# Altium PCB Knobber.PcbDoc (continued)
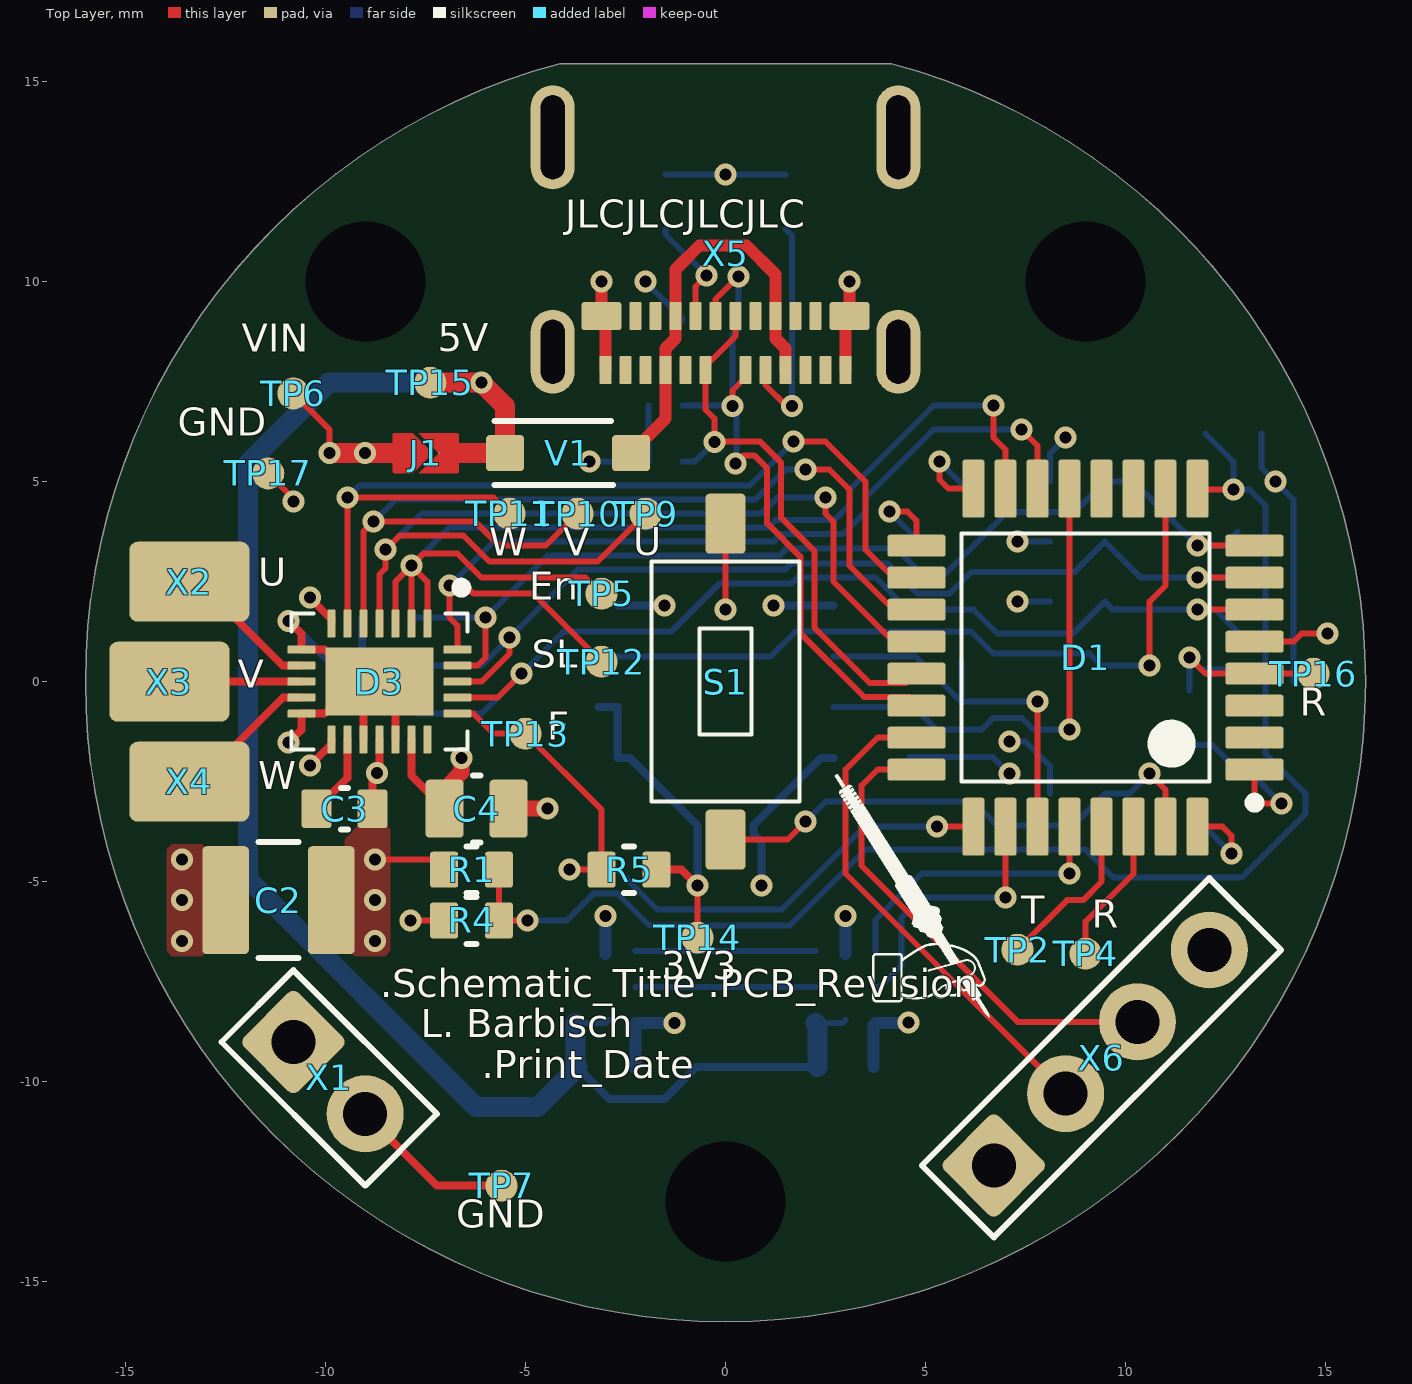
[diagram p0: Top Layer view]
## Components (designator, comment, footprint, x,y, rotation, side; value= is the part's Value field where it differs from the comment) (continued)
TP11 "TestPoint 0.8mm" TP_0.8mm -5.4,4.2 r180 top value=TP
TP12 "TestPoint 0.8mm" TP_0.8mm -3.1,0.5 r90 top value=TP
TP13 "TestPoint 0.8mm" TP_0.8mm -5,-1.3 r90 top value=TP
TP14 "TestPoint 0.8mm" TP_0.8mm -0.7,-6.4 r90 top value=TP
TP15 "TestPoint 0.8mm" TP_0.8mm -7.378,7.476 r0 top value=TP
TP16 "TestPoint 0.8mm" TP_0.8mm 14.7,0.2 r0 top value=TP
TP17 "TestPoint 0.8mm" TP_0.8mm -11.43,5.207 r0 top value=TP
V1 "MBR0520L" SOD123_L_RF -3.937,5.715 r180 top
V2 "APA102C" V_2020_P6_N_RF 3,-7.637 r0 bottom
V3 "APA102C" V_2020_P6_N_RF -3,-7.637 r0 bottom
X1 "CONN HEADER 2POS 1ROW THT 2.54MM" X-0508X0254_R_WE_61300211121 -9.906,-9.906 r315 top value=61300211121
X2 "" Lötpad_2x3 -13.405,2.5 r90 top
X3 "" Lötpad_2x3 -13.905,0 r90 top
X4 "" Lötpad_2x3 -13.405,-2.5 r90 top
X5 "105450-0101" 105450-0101 0,8.25 r180 top
X6 "CONN HEADER 4POS 1ROW THT 2.54MM" X-0101X0025_R_FCI_77311-118-04LF 9.4,-9.4 r45 top value=77311-118-04LF

## Footprints (in the part's own frame and the unit in brackets; to place one, negate y for a bottom-side part, rotate by r counter-clockwise, add the part's x,y. Pads: shape width x height; smd on the part's side, far side on the other; paste and mask are expansions set on the pad)
105450-0101 [mm] "USB-C Connector"
  rrect20% 0.3x0.7 smd: A1(-3,0.46) A2(-2.5,0.46) A3(-2,0.46) A4(-1.5,0.46) A5(-1,0.46) A6(-0.5,0.46) A7(0.5,0.46) A8(1,0.46) A9(1.5,0.46) A10(2,0.46) A11(2.5,0.46) A12(3,0.46) B2(2.25,-0.89) B3(1.75,-0.89) B4(1.25,-0.89) B5(0.75,-0.89) B6(0.25,-0.89) B7(-0.25,-0.89) B8(-0.75,-0.89) B9(-1.25,-0.89) B10(-1.75,-0.89) B11(-2.25,-0.89)
  rrect20% 1x0.7 smd mask+0.15: B1(3.1,-0.89) B12(-3.1,-0.89)
  oval 1.1x2.1 hole 0.6 slot 1.6 at 90 deg mask+0.102: S(-4.32,0) S(4.32,0)
  oval 1.1x2.6 hole 0.6 slot 2.1 at 90 deg: S(-4.32,-5.36) S(4.32,-5.36)
  body extent -4.47,-7.3 4.47,0.6, height 3.18
C-0603_1608_095_L_RF [mm] "Capacitor Chip 0603 Reflow; IPC7351C; Least; A.0"
  rrect20% 0.75x0.96 smd: 1(-0.7,0) 2(0.7,0)
  silkscreen extent -0.08,-0.52 0.08,0.52, body extent -0.87,-0.48 0.88,0.48, height 0.95
C-0805_2012_145_L_RF [mm] "Capacitor Chip 0805 Reflow; IPC7351C; Least; A.0"
  rrect20% 0.95x1.45 smd: 1(-0.8,0) 2(0.8,0)
  silkscreen extent -0.09,-0.83 0.09,0.84, body extent -1.1,-0.72 1.11,0.73, height 1.45
C-1210_3225_230_L_RF [mm] "Capacitor Chip 1210 Reflow; IPC7351C; Least; A.1"
  rrect20% 1.17x2.7 smd: 1(-1.32,0) 2(1.32,0)
  silkscreen extent -0.5,-1.45 0.5,1.45, body extent -1.7,-1.35 1.7,1.35, height 2.3
J-1206_Solderjumper_2Pin [mil] "SolderJumper 2Pin"
  round 1 smd paste-99999 mask+1.18: 1(-12.8,0) 2(12.8,0)
  Top Layer region: -32.48,-17.72 -32.48,17.72 -32.33,18.47 -31.9,19.11 -31.27,19.53 -30.51,19.68 -30.51,19.69 -12.8,19.69 6.89,0 -12.8,-19.69 -30.51,-19.69 -31.27,-19.54 -31.9,-19.11 -32.33,-18.47 -32.48,-17.72
  Top Layer region: 32.48,-17.72 32.48,17.72 32.33,18.47 31.9,19.11 31.27,19.53 30.51,19.68 30.51,19.69 -6.89,19.69 12.8,0 -6.89,-19.69 30.51,-19.69 31.26,-19.54 31.9,-19.11 32.33,-18.47 32.48,-17.72
K2-1107ST-A4DW-06 [mm]
  rrect20% 1.5x1 smd: 1(-3.95,0) 2(3.95,0)
  silkscreen extent -3,-1.85 3,1.85, body extent -4.01,-1.85 4.01,1.85, height 2.5
LQFP32_N_RF [mm] "TQFP, 32-Leads, Body 7.00x7.00mm, Pitch 0.80mm, IPC Medium Density"
  rrect20% 1.45x0.55 smd: 1(-4.225,2.8) 2(-4.225,2) 3(-4.225,1.2) 4(-4.225,0.4) 5(-4.225,-0.4) 6(-4.225,-1.2) 7(-4.225,-2) 8(-4.225,-2.8) 17(4.225,-2.8) 18(4.225,-2) 19(4.225,-1.2) 20(4.225,-0.4) 21(4.225,0.4) 22(4.225,1.2) 23(4.225,2) 24(4.225,2.8)
  rrect20% 0.55x1.45 smd: 9(-2.8,-4.225) 10(-2,-4.225) 11(-1.2,-4.225) 12(-0.4,-4.225) 13(0.4,-4.225) 14(1.2,-4.225) 15(2,-4.225) 16(2.8,-4.225) 25(2.8,4.225) 26(2,4.225) 27(1.2,4.225) 28(0.4,4.225) 29(-0.4,4.225) 30(-1.2,4.225) 31(-2,4.225) 32(-2.8,4.225)
  silkscreen extent -4.35,-3.1 3.1,3.75, body extent -4.5,-4.5 4.5,4.5, height 1.6
Lötpad_2x3 [mm]
  rrect20% 2x3 smd: 1(0,0)
QFN24_5x7_N_RF [mm] "QFN, 24-Leads, Body 3.00x4.00mm, Pitch 0.40mm, Thermal Pad 1.70x2.70mm, IPC Medium Density"
  rrect20% 0.7x0.2 smd: 1(-1.45,1.2) 2(-1.45,0.8) 3(-1.45,0.4) 4(-1.45,0) 5(-1.45,-0.4) 6(-1.45,-0.8) 7(-1.45,-1.2) 13(1.45,-1.2) 14(1.45,-0.8) 15(1.45,-0.4) 16(1.45,0) 17(1.45,0.4) 18(1.45,0.8) 19(1.45,1.2)
  rrect20% 0.2x0.7 smd: 8(-0.8,-1.95) 9(-0.4,-1.95) 10(0,-1.95) 11(0.4,-1.95) 12(0.8,-1.95) 20(0.8,1.95) 21(0.4,1.95) 22(0,1.95) 23(-0.4,1.95) 24(-0.8,1.95)
  rect 1.7x2.7 smd: 25(0,0)
  silkscreen extent -2.47,-2.2 1.7,2.2, body extent -1.55,-2.05 1.55,2.05, height 1
R-0603_1608_050_L_RF [mm] "Resistor Chip 0603 Reflow; IPC7351C; Least; A.1"
  rrect20% 0.7x0.9 smd: 1(-0.685,0) 2(0.685,0)
  silkscreen extent -0.12,-0.58 0.12,0.58, body extent -0.85,-0.45 0.85,0.45, height 0.5
SOD123_L_RF [mm] "SOD123"
  rrect20% 0.95x0.9 smd mask+0.05: 1(-1.575,0) 2(1.575,0)
  silkscreen extent -1.12,-0.8 1.84,0.8, body extent -1.85,-0.78 1.85,0.77, height 1.35
SOD-923_N_RF [mm] "SODFL, 2-Leads, Body 0.60x1.00mm, IPC Medium Density"
  rect 0.36x0.25 smd: 1(-0.42,0) 2(0.42,0)
  silkscreen extent -0.55,0.38 -0.45,0.47, body extent -0.5,-0.32 0.5,0.32, height 0.4
SOIC8_N_RF [mm] "SOIC, 8-Leads, Body 4.90x3.90mm, Pitch 1.27mm, IPC Medium Density"
  rrect20% 1.5x0.6 smd: 1(-2.7,1.905) 2(-2.7,0.635) 3(-2.7,-0.635) 4(-2.7,-1.905) 5(2.7,-1.905) 6(2.7,-0.635) 7(2.7,0.635) 8(2.7,1.905)
  silkscreen extent -2.82,-2.45 1.55,2.88, body extent -3,-2.45 3,2.45, height 1.75
TP_0.8mm [mm] "Testpoint 0.8mm"
  round 0.8 smd paste-0.5: 1(0,0)
V_2020_P6_N_RF [mm] "APA102C LED"
  rrect20% 0.7x0.55 smd mask+0.05: 1(-0.75,0) 2(-0.75,0.9) 3(0.75,0) 4(-0.75,-0.9) 5(0.75,0.9) 6(0.75,-0.9)
  rrect20% 0.3x0.7 smd mask+0.05: 2(0,0.825) 5(0,-0.825)
  silkscreen extent -1.45,-1.45 -1.35,-1.35, body extent -1,-1 1,1, height 0.6
X-0101X0025_R_FCI_77311-118-04LF [mm] "Pin Headder; 2.54mm, FCI"
  rrect20% 1.925x1.925 hole 1.1: 1(-3.81,0)
  round 1.925 hole 1.1: 2(-1.27,0) 3(1.27,0) 4(3.81,0)
  silkscreen extent -5.08,-1.27 5.08,1.27, body extent -4.88,-1.2 4.88,1.21, height 8.38
X-0508X0254_R_WE_61300211121 [mm] "Pin Header; 2.54mm, WE"
  rrect20% 1.925x1.925 hole 1.1: 1(-1.27,0)
  round 1.925 hole 1.1: 2(1.27,0)
  silkscreen extent -2.54,-1.27 2.54,1.27, body extent -2.54,-1.27 2.54,1.27, height 8.57

## Part data
C1 C3 C8: library part CMP-001-0045-3, "Cap Cer SMD 1u 16V 10% 0603 X7R", Case / Package=0603, Manufacturer=AVX, Manufacturer 2=KEMET, Manufacturer Part Number=0603YC105KAT2A, Manufacturer Part Number 2=C0603C105K4RACTU, ClassName=Surface_Assy, GPV_Number=1749.0125, PartStatus=Release, Prefered=true, Technology=SMT, User=epph
C2: library part CMP-001-0198-2, "CAP CER 10uF 50V X7S 1210", Case / Package=1210, Manufacturer=TDK, Manufacturer Part Number=C3225X7S1H106K250AE, ClassName=Surface_Assy, ComponentLink1Description=Datasheet, ComponentLink1URL=https://datasheet.ciiva.com/24218/c3225x7s1h106k250ae-265440-24218657.pdf?src-supplier=Mouser, GPV_Number=1752.0100, PartStatus=Release, Technology=SMT, User=zupa
C4: library part CMP-001-0177-2, "Cap Cer SMD 10u 16V 10% 0805 X5R", Case / Package=0805, Manufacturer=AVX, Manufacturer Part Number=0805YD106KAT2A, ClassName=Surface_Assy, ComponentLink1Description=Datasheet, ComponentLink1URL=https://datasheet.ciiva.com/152/cx5r-152114.pdf, GPV_Number=1750.0241, PartStatus=Release, Prefered=true, Technology=SMT, User=zupa
C5 C6 C7 C9: library part CMP-001-0036-2, "Cap Cer SMD 100n 100V 10% 0603 X7R", Case / Package=0603, Manufacturer=MURATA, Manufacturer Part Number=GRM188R72A104KA35, ClassName=Surface_Assy, ComponentLink1Description=Datasheet, ComponentLink1URL=https://datasheet.ciiva.com/34302/1857815-34302863.pdf, GPV_Number=1749.0196, PartStatus=Release, Prefered=false, Technology=SMT, User=zupa
C10 C11 C12 C13: library part CMP-001-0000-2, "Cap Cer SMD 100p 50V 5% 0603 C0G", Case / Package=0603, Manufacturer=YAGEO, Manufacturer Part Number=CC0603J*NPO9BN101, ClassName=Surface_Assy, ComponentLink1Description=Datasheet, ComponentLink1URL=https://datasheet.ciiva.com/11786/0900766b8079c870-11786060.pdf, GPV_Number=1749.0055, PartStatus=Release, Prefered=false, Technology=SMT, User=zupa
D1: "IC MCU STM32", Case/Package=LQFP32, Manufacturer=STM, ClassName=Surface_Assy, Footprint_validated=No, GPV_Number=xxxx.xxxx, Manufacturer Part Number=STM32L412KBT6, MNL_Number=xxxxxxxx, Part_validated=No, PartStatus=New, System=-, Technology=SMT
D2: "IC Sensor Rotation Magnet 12bit", Case/Package=SO-8, Manufacturer=AMS, ClassName=Surface_Assy, Footprint_validated=No, GPV_Number=xxxx.xxxx, Manufacturer Part Number=AS5600, MNL_Number=xxxxxxxx, Part_validated=No, PartStatus=New, System=-, Technology=SMT
D3: library part MP6543HGL-A-P, "Motor Driver 3-Phase 3-22V 2A", Case/Package=QFN-24, Manufacturer="Monolithic Power Systems", ClassName=Surface_Assy, Footprint_validated=No, GPV_Number=xxxx.xxxx, Manufacturer Part Number=MP6543HGL-A-P, MNL_Number=xxxxxxxx, Part_validated=No, PartStatus=New, System=-, Technology=SMT
D4 D5: library part ESD9101, "Diode ESD 5V", Case/Package="0201 | 0402 | 0603 | 0805 | 1206 | SO8 | SO16 |", Manufacturer=Onsemi, Manufacturer Part Number=ESD9101P2T5G, ClassName="Surface_Assy | Testpoint | Through-Hole_Assy | NetTie | Symbol | Mechanical", Footprint_validated="Yes | No", GPV_Number=xxxx.xxxx, MNL_Number=xxxxxxxx, Part_validated="Yes | No", PartStatus="New | Draft | Release", System=-, Technology="SMT | THT | SMT-BTC"
J1: library part CMP-00136-2, ClassName=Surface_Assy, PartStatus=Release, Technology=SYM, User=epph
R1 R5 R6 R7 R8 R9 R10 R11 R12 R15: library part CMP-001-0241-4, "Res SMD 10k 1% 0.1W 0603", Case / Package=0603, Manufacturer=KOA, Manufacturer 2=Vishay, Manufacturer 3=YAGEO, Manufacturer Part Number=RK73H1JTTD1002F, Manufacturer Part Number 2=CRCW060310K0FKEA, Manufacturer Part Number 3=RC0603FR-0710KL, ClassName=Surface_Assy, GPV_Number=1922.0100, PartStatus=Release, Prefered=true, Technology=SMT, User=epph
R2 R3: library part CMP-001-0274-3, "Res SMD 4k7 1% 0.1W 0603", Case / Package=0603, Manufacturer=YAGEO, Manufacturer Part Number=RC0603FR-074K7L, ClassName=Surface_Assy, ComponentLink1Description=Datasheet, ComponentLink1URL=https://datasheet.ciiva.com/11808/0900766b80f96399-11808280.pdf, GPV_Number=1922.0017, MNL_Number=15347012, PartStatus=Release, Prefered=true, Technology=SMT, User=zupa
R4: library part CMP-001-0250-3, "Res SMD 1k 1% 0.1W 0603", Case / Package=0603, Manufacturer=YAGEO, Manufacturer Part Number=RC0603FR-071KL, ClassName=Surface_Assy, ComponentLink1Description=Datasheet, ComponentLink1URL=https://datasheet.ciiva.com/11808/0900766b80f96399-11808280.pdf, GPV_Number=1922.0011, MNL_Number=15310012, PartStatus=Release, Prefered=true, Technology=SMT, User=zupa
R13: library part CMP-001-0572-4, "Res SMD 1k5 1% 0.1W 0603", Case / Package=0603, Manufacturer=YAGEO, Manufacturer 2=KOA, Manufacturer 3=Vishay, Manufacturer Part Number=RC0603FR-071K5L, Manufacturer Part Number 2=RK73H1JTTD1501F, Manufacturer Part Number 3=CRCW06031K50FKEA, ClassName=Surface_Assy, GPV_Number=1922.0480, PartStatus=Release, Prefered=true, Technology=SMT, User=epph
R16 R17: library part CMP-001-0582-3, "Res SMD 5k1 1% 0.1W 0603", Case / Package=0603, Manufacturer=YAGEO, Manufacturer Part Number=RC0603FR-075K1L, ClassName=Surface_Assy, ComponentLink1Description=Datasheet, ComponentLink1URL=https://datasheet.ciiva.com/8895/pyu-rc0603-51-rohs-l-4-8895189.pdf, GPV_Number=1922.0144, PartStatus=Release, Prefered=true, Technology=SMT, User=napa
S1: "BUTTON tactile 12V 50mA", Case/Package=4pin, Manufacturer=HROparts, Manufacturer Part Number="K2-1107ST-A4DW-06 (C118141)", ClassName=Surface_Assy, Footprint_validated=No, GPV_Number=xxxx.xxxx, MNL_Number=xxxxxxxx, Part_validated=No, PartStatus=New, System=-, Technology=SMT
TP1 TP2 TP3 TP4 TP5 TP6 TP7 TP9 TP10 TP11 TP12 TP13 TP14 TP15 TP16 TP17: library part CMP-001-1515-1, ClassName=Testpoint, GPV_Number=-, PartStatus=Release, Technology=SMT, User=zupa
V1: library part CMP-001-1324-3, "Diode Schottky 20V 0.5A SOD123", Case / Package=SOD123, Manufacturer=ONSemi, Manufacturer Part Number=MBR0520LT1G, ClassName=Surface_Assy, GPV_Number=1600.2395, PartStatus=Release, Prefered=false, Technology=SMT, User=epph
V2 V3: "RGB LED SPI Interface", Case/Package=2020, Manufacturer="APA Electronic CO", Manufacturer Part Number=APA-102-2020-256-8A, ClassName=Surface_Assy, Footprint_validated=No, GPV_Number=xxxx.xxxx, MNL_Number=xxxxxxxx, Part_validated=No, PartStatus=New, System=-, Technology=SMT
X1: library part CMP-00105-3, "CONN HEADER 2POS 1ROW THT 2.54MM WE 61300211121", Manufacturer=WE, Manufacturer Part Number=61300211121, ClassName=Through-Hole_Assy, ComponentLink1Description=Datasheet, ComponentLink1URL=https://www.we-online.com/katalog/datasheet/6130xx11121.pdf, PartStatus=Release, System=Connector, Technology=THT, User=balu
X2 X3 X4: library part Lötpad_2mmx3mm, "Solderpad 2mm x 3mm", Case/Package=-, ClassName=Testpoint, Footprint_validated=No, GPV_Number=xxxx.xxxx, Manufacturer=-, Manufacturer Part Number=-, MNL_Number=xxxxxxxx, Part_validated=No, PartStatus=New, System=Connector, Technology=SMT
X5: "CONN USB-C 16pin", Case/Package=USB-C, Manufacturer=Molex, ClassName=Through-Hole_Assy, Footprint_validated=No, GPV_Number=xxxx.xxxx, Manufacturer Part Number=105450-0101, MNL_Number=xxxxxxxx, Part_validated=No, PartStatus=New, System=Connector, Technology=SMT
X6: library part CMP-001-1284-4, "CONN HEADER 4POS 1ROW THT 2.54MM FCI 77311-118-04LF", Manufacturer=FCI, Manufacturer Part Number=77311-118-04LF, ClassName=Through-Hole_Assy, ComponentLink1Description=Datasheet, ComponentLink1URL=http://portal.fciconnect.com/Comergent//fci/drawing/77311.pdf, GPV_Number=4401.2630, PartStatus=Release, System=Connector, Technology=THT, User=zupa

## Free pads (board coordinates)
  round 0 hole 3 unplated: 7(-9,10) 7(9,10) 9(0,-13)

## Via types
v1: diameter 0.55, hole 0.3, Top Layer to Bottom Layer, tented both sides, 77 vias

## Nets (pads, with @x,y where several pads share a name; then routed paths per layer and width w, separated by ;. In a path a pad name is that pad's centre, name@x,y a point inside that pad or via, vN(x,y) a via of type N, cw(c..) or ccw(c..) an arc to the next point about the centre after c; other vN are vias at no path point)
+3V3: C1.2 C4.2 C7.2 C8.2 D1.1 D1.5 D1.17 D2.1 D2.2 D3.18 R2.2 R3.2 R5.2 R7.2 R8.2 R9.2 R13.2 R15.1 S1.2 TP14.1 X6.1 | length 30
  Top Layer w0.15: TP14.1 v1(-0.7,-5.1) ; v1(0,1.8) S1.2 ; v1(4.1,4.25) 4.55,4.25 4.775,4.025 D1.17 ; D1.1 13.225,-2.825 13.45,-3.05 v1(13.9,-3.05) ; D1.5 14.2,1 14.4,1.2 v1(15.05,1.2)
  Top Layer w0.2: D3.18 -7.855,-2.343 C4.2 ; R5.2 -1.101,-4.699 v1(-0.7,-5.1)
  Top Layer w0.4: C4.2 -7.023,-2.685 -6.604,-2.266 v1(-6.604,-1.905)
  Bottom Layer w0.15: v1(-2,10) -1.085,9.085 R13.2 ; v1(4.1,4.25) 4.845,3.505 C8.2 ; R2.2 R3.2 6.685,-1.885 v1(7.1,-2.3) ; v1(7.3,2) R7.2 ; v1(7.3,3.5) R8.2 ; R9.2 8.115,5.715 v1(8.5,6.1) ; R15.1 12.175,-1.585 C7.2 13.155,-2.305 v1(13.9,-3.05)
  Bottom Layer w0.2: D2.2@-3.181,-0.635 D2.2 D2.1 -2.384,-1.905 -0.7,-3.589 C1.2 v1(-0.7,-5.1)
+5V: C5.2 C6.2 J1.2 TP15.1 V1.2 V2.2 V3.2 | length 43.1
  Top Layer w0.5: TP15.1 v1(-6.099,7.476) -5.512,6.889 V1.2 -6.768,5.715
  Bottom Layer w0.15: V3.2@-3.675,-8.537 -3,-8.537 V3.2@-2.925,-8.462 ; V2.2@2.25,-8.537 2.925,-8.537 V2.2@3,-8.462
  Bottom Layer w0.2: C5.2 -2.907,-10.43 -1.524,-10.43 -0.731,-9.637 C6.2
  Bottom Layer w0.5: v1(-6.099,7.476) -9.921,7.476 -11.938,5.459 -11.938,-4.931 -6.232,-10.637 -4.7,-10.637 C5.2 -3.75,-9.587 V3.2@-3.75,-8.537 ; V2.2@2.25,-8.537 2.3,-8.587 C6.2
ADC_Angle: D1.10 D2.3 | length 18.5
  Top Layer w0.15: v1(10.6,0.4) 10.6,2 11,2.4 D1.10
  Bottom Layer w0.15: D2.3 1.135,0.635 1.75,1.25 6.15,1.25 6.7,0.7 9.1,0.7 9.4,0.4 v1(10.6,0.4)
ADC_I_U: C10.2 D1.6 D3.21 R7.1 R10.2 | length 26.4
  Top Layer w0.15: D3.21 -5.7,-0.4 v1(-5.1,0.2) ; v1(11.801,1.8) D1.6
  Bottom Layer w0.15: R10.2 -6.1,-0.8 v1(-5.1,0.2) -4.05,1.25 -1.355,1.25 -0.155,2.45 1.641,2.45 1.802,2.611 3.749,2.611 4.56,1.8 6.2,1.8 6.8,1.2 8.685,1.2 R7.1 9.685,1.8 v1(11.801,1.8) 12.25,1.8 C10.2
ADC_I_V: C11.2 D1.7 D3.22 R8.1 R11.2 | length 26.3
  Top Layer w0.15: D3.22 -6.1,0 -5.4,0.7 v1(-5.4,1.1) ; v1(11.8,2.6) D1.7
  Bottom Layer w0.15: R11.2 -6.1,0.4 v1(-5.4,1.1) -3.7,2.8 1.496,2.8 1.657,2.961 4.039,2.961 4.8,2.2 5.6,2.2 6.149,2.749 8.734,2.749 R8.1 10.385,2.6 v1(11.8,2.6) 12.7,2.6 C11.2
ADC_I_W: C12.2 D1.8 D3.23 R9.1 R12.2 | length 26.5
  Top Layer w0.15: D3.23 -6.2,0.4 -6,0.6 v1(-6,1.6) ; v1(11.801,3.4) D1.8
  Bottom Layer w0.15: R12.2 v1(-6,1.6) -4.45,3.15 1.351,3.15 1.534,3.334 4.266,3.334 4.951,2.649 5.449,2.649 7.049,4.249 8.734,4.249 R9.1 10.201,5 v1(11.801,3.4) 12.45,3.4 C12.2
ADC_VIN: C13.2 D1.9 R1.1 R4.2 | length 35.5
  Top Layer w0.15: R1.1 R4.2 v1(-4.953,-5.969) ; D1.9 11.825,4.8 v1(12.7,4.8)
  Bottom Layer w0.15: v1(-4.953,-5.969) -3.969,-5.969 -3.3,-5.3 -2.7,-5.3 -1.9,-6.1 1.6,-6.1 3.5,-4.2 9,-4.2 9.7,-4.9 12.9,-4.9 14.5,-3.3 14.5,-2.8 13.5,-1.8 13.5,4.4 13.1,4.8 v1(12.7,4.8) 12.7,5.5 C13.2
BOOT0: D1.31 R6.2 S1.1 | length 13.3
  Top Layer w0.15: S1.1 1.55,-3.95 v1(2,-3.5) ; v1(10.6,-2.3) 11,-2.7 D1.31
  Bottom Layer w0.15: v1(2,-3.5) 2.5,-3 6.2,-3 6.8,-3.6 8.685,-3.6 R6.2 10.1,-2.8 v1(10.6,-2.3)
D_N: D1.21 D5.2 X5.A7 X5.B7 | length 14.2
  Top Layer w0.15: X5.B7 0.25,8.64 -0.5,7.89 X5.A7 -0.5,6.801 -0.276,6.577 v1(-0.276,5.99) -0.257,6.009 0.86,6.009 1.391,5.479 1.391,4.102 2.222,3.27 2.222,1.355 3.61,-0.033 4.507,-0.033 D1.21@4.775,0.235
  Bottom Layer w0.15: D5.2 -0.766,5.5 v1(-0.276,5.99)
D_P: D1.22 D4.2 R13.1 X5.A6 X5.B6 | length 17.4
  Top Layer w0.15: X5.B6 -0.25,9.558 v1(0.322,10.13) ; v1(0.175,6.896) 0.175,7.281 0.5,7.607 X5.A6 ; v1(0.254,5.459) 0.454,5.659 0.715,5.659 1.041,5.334 1.041,3.957 1.872,3.126 1.872,1.21 3.465,-0.383 4.593,-0.383 D1.22@4.775,-0.565
  Bottom Layer w0.15: D4.2 0.171,6.9 v1(0.175,6.896) ; v1(0.254,5.459) 0.281,5.486 0.281,6.823 0.207,6.896 v1(0.175,6.896) ; v1(0.322,10.13) 0.322,8.822 0.175,8.675 v1(0.175,6.896)
ENABLE: D1.15 D3.1 D3.2 D3.3 TP5.1 | length 28.6
  Top Layer w0.15: D3.3 -8.255,2.5 v1(-7.855,2.9) ; D3.2 v1(-7.855,2.9) ; D3.1 -7.455,2.5 v1(-7.855,2.9) ; TP5.1 -3.5,2.6 -6.1,2.6 -6.7,3.2 -7.555,3.2 v1(-7.855,2.9) ; v1(6.7,6.9) 6.7,6.1 7,5.8 D1.15
  Bottom Layer w0.15: v1(-7.855,2.9) -6.905,3.85 1.061,3.85 1.249,4.038 2.716,4.038 3.1,4.422 3.1,4.8 5.2,6.9 v1(6.7,6.9)
GND: C1.1 C2.1 C4.1 C5.1 C6.1 C7.1 C8.1 C9.1 C10.1 C11.1 C12.1 C13.1 D1.16 D1.32 D2.4 D2.5 D2.8 D3.8 D3.12 D3.15 D3.17 D3.25 D4.1 D5.1 R4.1 R6.1 R10.1 R11.1 R12.1 R16.1 R17.1 TP7.1 TP17.1 V2.5 V3.5 X1.2 X5.A1 X5.A12 X5.B1 X5.B12 X5.S X6.4 | length 57.8
  Top Layer w0.15: TP17.1 -10.804,4.581 v1(-10.804,4.5) ; v1(-7.874,-5.969) R4.1 ; v1(5.35,5.5) 5.35,5.05 5.575,4.825 D1.16 ; D1.32 12.425,-3.625 12.65,-3.85 v1(12.65,-4.3)
  Top Layer w0.2: v1(-10.922,-1.524) -10.605,-1.207 D3.12 -10.02,-0.8 D3.25@-9.22,0 ; v1(-10.922,1.524) -10.605,1.207 D3.8 -10.02,0.8 D3.25@-9.22,0 ; D3.15 -9.055,-0.4 D3.25 ; X1.2 -7.212,-12.6 TP7.1 ; D3.17 -8.255,-0.4 D3.25 ; D3.25@-9.22,0 D3.25
  Top Layer w0.3: v1(-3.1,10) X5.B1 -3,9.04 X5.A12 ; X5.A1 3,9.04 X5.B12 v1(3.1,10)
  Top Layer w0.4: C4.1 v1(-4.445,-3.175)
  Bottom Layer w0.15: v1(-3.4,5.5) D5.1 D4.1 ; R16.1 v1(0,12.685) R17.1 ; v1(5.35,5.5) 6.095,4.755 C8.1 ; v1(7.1,-1.5) 7.5,-1.5 8.115,-2.115 R6.1 ; C7.1 11.905,-3.555 v1(12.65,-4.3) ; C13.1 13.4,5.35 v1(13.75,5) 14.2,4.55 C12.1 C11.1 C10.1 C9.1
  Bottom Layer w0.2: v1(-10.922,1.524) -9.798,0.4 R11.1 ; R10.1 R12.1 ; D2.4 v1(-1.524,1.905) ; v1(0.9,-5.1) 0.9,-4.01 C1.1 0.7,-3.587 2.382,-1.905 D2.8 ; v1(1.2,1.9) 1.205,1.905 D2.5
  Bottom Layer w0.3: V3.5@-3,-6.812 v1(-3,-5.858) ; C5.1 -2.25,-9.587 -2.25,-8.537 v1(-1.27,-8.537) ; V2.5@3,-6.812 v1(3,-5.858) ; C6.1 3.7,-8.587 3.75,-8.537 4.56,-8.537 v1(4.572,-8.525)
  other v1: -13.589,-6.477 -13.589,-5.461 -13.589,-4.445
I2C2_SCL: D1.13 D2.7 R2.1 TP1.1 | length 13.7
  Top Layer w0.15: v1(8.6,-1.2) D1.13
  Bottom Layer w0.15: D2.7 4.48,-0.635 R2.1 5.285,-1.2 6.4,-1.2 6.694,-0.906 7.406,-0.906 7.7,-1.2 v1(8.6,-1.2) TP1.1
I2C2_SDA: D1.27 D2.6 R3.1 TP3.1 | length 9.7
  Top Layer w0.15: D1.27 v1(7.8,-0.5)
  Bottom Layer w0.15: D2.6 4.75,0.635 R3.1 R3.1@5.9,-0.5 ; TP3.1 R3.1@5.9,-0.5 ; v1(7.8,-0.5) R3.1@5.9,-0.5
Motor_U: D1.20 D3.4 TP9.1 | length 25.7
  Top Layer w0.15: D3.4 -8.655,2.681 -8.5,2.836 v1(-8.5,3.3) -8.15,3.65 -6.55,3.65 -5.9,3 -3.2,3 TP9.1 ; v1(2.5,4.6) 2.5,4.2 2.7,4 2.7,2.5 4.2,1 D1.20
  Bottom Layer w0.15: v1(-8.5,3.3) -7.6,4.2 0.89,4.2 1.29,4.6 v1(2.5,4.6)
Motor_V: D1.19 D3.5 TP10.1 | length 25
  Top Layer w0.15: D3.5 -9.055,3.745 v1(-8.8,4) -6.255,4 -5.655,3.4 -4.5,3.4 TP10.1 ; v1(2,5.3) 2.6,5.3 3.1,4.8 3.1,2.9 4.2,1.8 D1.19
  Bottom Layer w0.15: v1(-8.8,4) -8.25,4.55 0.745,4.55 1.495,5.3 v1(2,5.3)
Motor_W: D1.18 D3.6 TP11.1 | length 24.6
  Top Layer w0.15: D3.6 v1(-9.455,4.6) -5.8,4.6 TP11.1 ; v1(1.7,6) 2.5,6 3.5,5 3.5,3.3 4.2,2.6 D1.18
  Bottom Layer w0.15: v1(-9.455,4.6) -9.155,4.9 0.6,4.9 v1(1.7,6)
NetC3_1: C3.1 D3.14 | length 2
  Top Layer w0.2: C3.1 -9.455,-2.405 D3.14
NetR16_2: R16.2 X5.B5 | length 2.7
  Top Layer w0.15: X5.B5 -0.75,9.879 v1(-0.474,10.155)
  Bottom Layer w0.15: R16.2 -1.5,11.181 v1(-0.474,10.155)
NetR17_2: R17.2 X5.A5 | length 5.7
  Top Layer w0.15: X5.A5 1,7.416 1.527,6.889 v1(1.661,6.889)
  Bottom Layer w0.15: R17.2 1.661,11.154 v1(1.661,6.889)
NetV2_1: V2.1 V3.3 | length 4.5
  Bottom Layer w0.15: V3.3 V2.1
NetV2_4: V2.4 V3.6 | length 4.5
  Bottom Layer w0.15: V3.6 V2.4
nFAULT: D1.25 D3.20 R5.1 TP13.1 | length 18.3
  Top Layer w0.15: D3.20 -6.3,-0.8 -5.8,-1.3 TP13.1 -3.098,-3.202 R5.1 -3.099,-4.7 v1(-3.9,-4.7) ; v1(5.285,-3.619) 5.291,-3.625 D1.25
  Bottom Layer w0.15: v1(-3.9,-4.7) -2.7,-4.7 -1.7,-5.7 1.4,-5.7 3.481,-3.619 v1(5.285,-3.619)
nRST: C9.2 D1.4 R15.2 TP16.1 | length 5.5
  Top Layer w0.15: v1(11.6,0.6) 12,0.2 D1.4 TP16.1
  Bottom Layer w0.15: R15.2 v1(11.6,0.6) 11.9,0.3 12.5,0.3 C9.2
nSLEEP: D1.14 D3.24 TP12.1 | length 24
  Top Layer w0.15: D3.24 -6.705,1.405 -6.9,1.6 v1(-6.9,2.4) -6.5,2.4 -6.3,2.2 -4.8,2.2 TP12.1 ; v1(7.4,6.3) 7.8,5.9 D1.14
  Bottom Layer w0.15: v1(-6.9,2.4) -5.8,3.5 1.206,3.5 1.394,3.688 2.938,3.688 3.5,4.25 3.5,4.6 5.2,6.3 v1(7.4,6.3)
Phase_A: D3.9 X2.1 | length 3.7
  Top Layer w0.2: X2.1 -13.168,2.5 -11.068,0.4 D3.9
Phase_B: D3.10 X3.1 | length 3.3
  Top Layer w0.2: X3.1 D3.10
Phase_C: D3.11 X4.1 | length 3.7
  Top Layer w0.2: X4.1 -13.168,-2.5 -11.068,-0.4 D3.11
SPI1_MOSI: D1.28 V2.6 | length 7.3
  Top Layer w0.15: v1(8.6,-4.8) D1.28
  Bottom Layer w0.15: V2.6 3.75,-5.95 4.9,-4.8 v1(8.6,-4.8)
SPI1_SCK: D1.26 V2.3 | length 6.6
  Top Layer w0.15: v1(7,-5.4) D1.26
  Bottom Layer w0.15: V2.3 3.851,-7.637 4.4,-7.087 4.4,-5.9 4.9,-5.4 v1(7,-5.4)
SWCLK: D1.24 X6.3 | length 12.1
  Top Layer w0.15: D1.24 3.8,-2.2 3.4,-2.6 3.4,-4.6 7.302,-8.502 X6.3
SWDIO: D1.23 X6.2 | length 12.5
  Top Layer w0.15: D1.23 3.8,-1.4 3,-2.2 3,-4.796 X6.2
USART1_RX: D1.30 TP4.1 | length 3.7
  Top Layer w0.15: TP4.1 9,-6 10.2,-4.8 D1.30
USART1_TX: D1.29 TP2.1 | length 4.2
  Top Layer w0.15: TP2.1 8.539,-5.461 8.939,-5.461 9.4,-5 D1.29
VIN: C2.2 C3.2 D3.7 D3.13 D3.16 J1.1 R1.2 TP6.1 X1.1 | length 9.3
  Top Layer w0.15: TP6.1 -9.906,6.309 v1(-9.906,5.715) ; v1(-8.763,-4.445) -7.289,-4.445 R1.2 ; v1(-8.714,-2.287) v1@-8.655,-2.228
  Top Layer w0.2: v1(-10.392,-2.1) -9.855,-1.563 D3.13 ; v1(-10.392,2.1) -9.855,1.563 D3.7 ; C3.2 -8.825,-2.397 v1(-8.714,-2.287) ; v1@-8.655,-2.228 D3.16
  Top Layer w0.5: v1(-9.906,5.715) v1(-9.017,5.715) J1.1
  other v1: -8.763,-6.477 -8.763,-5.461
VUSB: V1.1 X5.A4 X5.A9 X5.B4 X5.B9 | length 10.6
  Top Layer w0.3: V1.1 -1.5,6.577 X5.A9 -1.5,8.331 -1.25,8.581 X5.B4 -1.25,10.306 -0.645,10.911 0.519,10.911 1.25,10.18 X5.B9 1.25,8.581 1.5,8.331 X5.A4
pads on no net: D1.2 D1.3 D1.11 D1.12 D3.19 V3.1 V3.4 X5.A2 X5.A3 X5.A8 X5.A10 X5.A11 X5.B2 X5.B3 X5.B8 X5.B10 X5.B11

## Polygon pours and split planes (outlines as drawn)
+3V3 on MidLayer2 "+3V3_L03_P001" (solid, pour order 1): -7.62,-16.51 16.51,-16.51 16.51,15.875 -7.62,15.875
VIN on MidLayer2 "VIN_L03_P002" (solid, pour order 2): -7.62,15.875 -7.62,-16.51 -16.51,-16.51 -16.51,15.875
VIN on Top Layer "VIN_L01_P004" (solid, pour order 4): -9.525,-6.604 -9.271,-6.858 -8.509,-6.858 -8.382,-6.731 -8.382,-3.683 -8.509,-3.556 -9.144,-3.556 -9.525,-3.937
GND on Top Layer "GND_L01_P003" (solid, pour order 3): -12.827,-4.318 -13.081,-4.064 -13.843,-4.064 -13.97,-4.191 -13.97,-6.731 -13.843,-6.858 -13.081,-6.858 -12.827,-6.604
GND on MidLayer1 "GND_L02_P000" (solid, pour order 0): -17.145,16.51 -17.145,-16.51 17.145,-16.51 17.145,16.51

## Silkscreen, mask and mechanical layers (free items; w line width, h text height)
Top Overlay:
  drawing of 3 lines, arcs and shapes, not listed
  text "JLCJLCJLCJLC" at -4.008,11.117 h1.2
  text "VIN" at -12.1,8.017 h1.2
  text "5V" at -7.2,8.023 h1.2
  text "GND" at -13.7,5.917 h1.2
  text "W" at -5.903,2.917 h1.2
  text "V" at -4.057,2.917 h1.2
  text "U" at -2.305,2.923 h1.2
  text "U" at -11.684,2.163 h1.2
  text "En" at -4.909,1.817 h1.2
  text "SL" at -4.848,0.117 h1.2
  text "V" at -12.192,-0.383 h1.2
  text "R" at 14.356,-1.083 h1.2
  text "F" at -4.463,-1.683 h1.2
  text "W" at -11.684,-2.923 h1.2
  text "T" at 7.395,-6.283 h1.2
  text "R" at 9.156,-6.383 h1.2
  text "3V3" at -1.609,-7.678 h1.2
  text ".Schematic_Title .PCB_Revision" at -8.636,-8.128 h1.2
  text "L. Barbisch" at -7.62,-9.131 h1.2
  text ".Print_Date" at -6.096,-10.147 h1.2
  text "GND" at -6.737,-13.883 h1.2
Bottom Overlay:
  text "VIN" at -11.176,-7.112 h1.2 r45
  text "GND" at -6.613,-11.675 h1.2 r45
Board:
  the board outline again, w0.1
Mech_Add:
  circle w0.1: c-9,10 r3
  circle w0.1: c9,10 r3
  circle w0.1: c0,-13 r3
Drill Drawing:
  drawing of 387 lines, arcs and shapes, not listed
  text "Layer" at 6.055,-38.061 h1.48
  text "Name" at 12.26,-38.061 h1.48
  text "Material" at 24.254,-38.061 h1.48
  text "Thickness" at 35.035,-38.061 h1.48
  text "Constant" at 43.89,-38.061 h1.48
  text "Gerber" at 52.089,-38.061 h1.48
  text "Board Layer Stack" at 59.13,-38.061 h1.48
  text "Symbol" at -107.827,-38.762 h1.83
  text "Count" at -100.203,-38.762 h1.83
  text "Hole Size" at -93.31,-38.762 h1.83
  text "Hole Length" at -78.311,-38.762 h1.83
  text "Plated" at -64.05,-38.762 h1.83
  text "Hole Type" at -57.477,-38.762 h1.83
  text "Drill Layer Pair" at -47.958,-38.762 h1.83
  text "Via/Pad" at -29.606,-38.762 h1.83
  text "Pad Shape" at -21.913,-38.762 h1.83
  text "Top Overlay" at 12.26,-41.029 h1.48
  text "GTO" at 52.089,-41.029 h1.48
  text "77" at -100.203,-41.913 h1.52
  text "0.300mm (11.81mil)" at -93.31,-41.913 h1.52
  text "-" at -78.311,-41.913 h1.52
  text "PTH" at -64.05,-41.913 h1.52
  text "Round" at -57.477,-41.913 h1.52
  text "Top Layer - Bottom Layer" at -47.958,-41.913 h1.52
  text "Via" at -29.606,-41.913 h1.52
  text "Rounded" at -21.913,-41.913 h1.52
  text "Top Solder" at 12.26,-43.997 h1.48
  text "Solder Resist" at 24.254,-43.997 h1.48
  text "0.010mm" at 35.035,-43.997 h1.48
  text "3.5" at 43.89,-43.997 h1.48
  text "GTS" at 52.089,-43.997 h1.48
  text "2" at -100.203,-45.063 h1.52
  text "0.600mm (23.62mil)" at -93.31,-45.063 h1.52
  text "1.600mm (62.99mil)" at -78.311,-45.063 h1.52
  text "PTH" at -64.05,-45.063 h1.52
  text "Slot" at -57.477,-45.063 h1.52
  text "Top Layer - Bottom Layer" at -47.958,-45.063 h1.52
  text "Pad" at -29.606,-45.063 h1.52
  text "Rounded" at -21.913,-45.063 h1.52
  text "1" at 6.055,-46.965 h1.48
  text "Top Layer" at 12.26,-46.965 h1.48
  text "0.035mm" at 35.035,-46.965 h1.48
  text "GTL" at 52.089,-46.965 h1.48
  text "2" at -100.203,-48.213 h1.52
  text "0.600mm (23.62mil)" at -93.31,-48.213 h1.52
  text "2.100mm (82.68mil)" at -78.311,-48.213 h1.52
  text "PTH" at -64.05,-48.213 h1.52
  text "Slot" at -57.477,-48.213 h1.52
  text "Top Layer - Bottom Layer" at -47.958,-48.213 h1.52
  text "Pad" at -29.606,-48.213 h1.52
  text "Rounded" at -21.913,-48.213 h1.52
  text "Dielectric1" at 12.26,-49.933 h1.48
  text "FR-4 (7628)" at 24.254,-49.933 h1.48
  text "0.180mm" at 35.035,-49.933 h1.48
  text "4.2" at 43.89,-49.933 h1.48
  text "6" at -100.203,-51.363 h1.52
  text "1.100mm (43.31mil)" at -93.31,-51.363 h1.52
  text "-" at -78.311,-51.363 h1.52
  text "PTH" at -64.05,-51.363 h1.52
  text "Round" at -57.477,-51.363 h1.52
  text "Top Layer - Bottom Layer" at -47.958,-51.363 h1.52
  text "Pad" at -29.606,-51.363 h1.52
  text "(Mixed)" at -21.913,-51.363 h1.52
  text "Dielectric 2" at 12.26,-52.901 h1.48
  text "FR-4 (7628)" at 24.254,-52.901 h1.48
  text "0.180mm" at 35.035,-52.901 h1.48
  text "4.2" at 43.89,-52.901 h1.48
  text "3" at -100.203,-54.514 h1.52
  text "3.000mm (118.11mil)" at -93.31,-54.514 h1.52
  text "-" at -78.311,-54.514 h1.52
  text "NPTH" at -64.05,-54.514 h1.52
  text "Round" at -57.477,-54.514 h1.52
  text "Top Layer - Bottom Layer" at -47.958,-54.514 h1.52
  text "Pad" at -29.606,-54.514 h1.52
  text "Rounded" at -21.913,-54.514 h1.52
  text "2" at 6.053,-55.869 h1.48
  text "MidLayer1" at 12.26,-55.869 h1.48
  text "0.035mm" at 35.035,-55.869 h1.48
  text "G1" at 52.089,-55.869 h1.48
  text "90 Total" at -100.203,-57.664 h1.52
  text "Core" at 12.26,-58.837 h1.48
  text "0.710mm" at 35.035,-58.837 h1.48
  text "4.2" at 43.89,-58.837 h1.48
  text "Slot definitions :" at -107.827,-59.869 h1.52
  text "Routed Path Length" at -96.412,-59.869 h1.52
  text "= Calculated from tool start centre position to tool end centre position." at -82.737,-59.869 h1.52
  text "Hole Length" at -96.412,-61.129 h1.52
  text "= Routed Path Length + Tool Size = Slot length as defined in the PCB layout" at -87.8,-61.129 h1.52
  text "3" at 6.055,-61.805 h1.48
  text "MidLayer2" at 12.26,-61.805 h1.48
  text "0.035mm" at 35.035,-61.805 h1.48
  text "G2" at 52.089,-61.805 h1.48
  text "Dielectric 3" at 12.26,-64.773 h1.48
  text "FR-4 (7628)" at 24.254,-64.773 h1.48
  text "0.180mm" at 35.035,-64.773 h1.48
  text "4.2" at 43.89,-64.773 h1.48
  text "Dielectric 4" at 12.26,-67.741 h1.48
  text "FR-4 (7628)" at 24.254,-67.741 h1.48
  text "0.180mm" at 35.035,-67.741 h1.48
  text "4.2" at 43.89,-67.741 h1.48
  text "4" at 6.055,-70.709 h1.48
  text "Bottom Layer" at 12.26,-70.709 h1.48
  text "0.035mm" at 35.035,-70.709 h1.48
  text "GBL" at 52.089,-70.709 h1.48
  text "Bottom Solder" at 12.26,-73.678 h1.48
  text "Solder Resist" at 24.254,-73.678 h1.48
  text "0.010mm" at 35.035,-73.678 h1.48
  text "3.5" at 43.89,-73.678 h1.48
  text "GBS" at 52.089,-73.678 h1.48
  text "Bottom Overlay" at 12.26,-76.646 h1.48
  text "GBO" at 52.089,-76.646 h1.48
  text "Total board thickness:" at 6.055,-79.614 h1.48
  text "1.590mm" at 35.035,-79.614 h1.48